# KiCad board processed.kicad_pcb (continued)
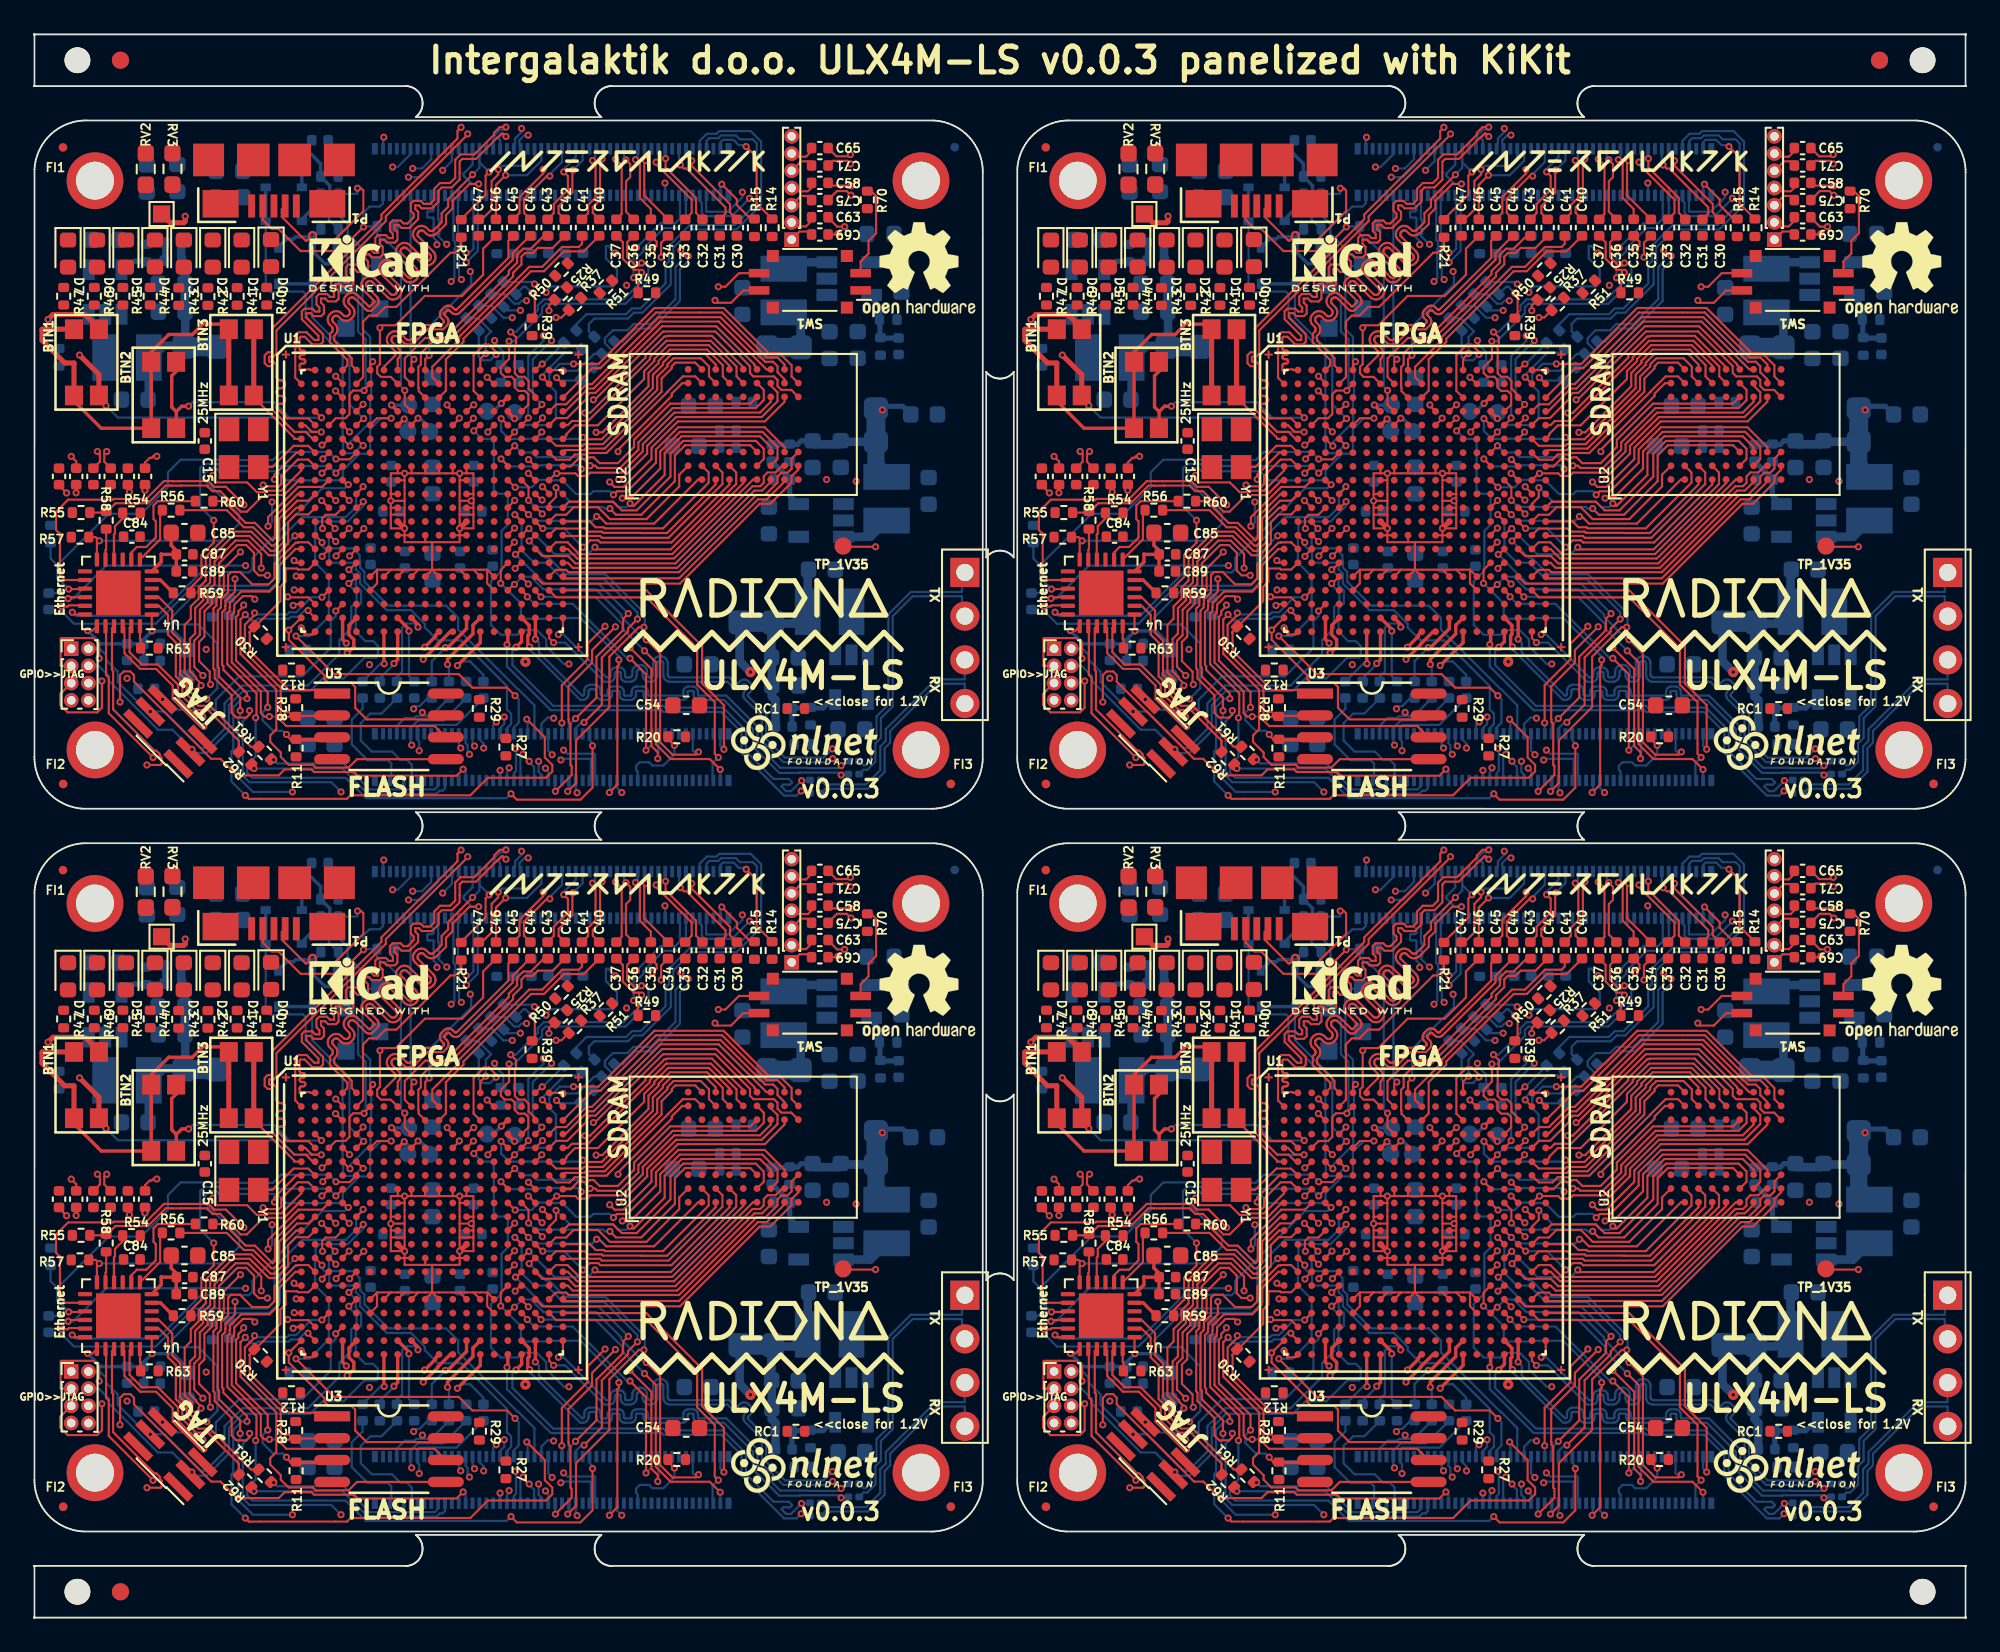
[diagram p0: board, top side]
## Placement (name value [footprint] x y rotation side) (continued)
C81#4  22nF  [C_0402_1005Metric]  97.41 25.98 180 bottom
C82  22nF  [C_0603_1608Metric]  37.84 68.09 180 bottom
C82#2  22nF  [C_0603_1608Metric]  94.95 68.09 180 bottom
C82#3  22nF  [C_0603_1608Metric]  37.84 26.08 180 bottom
C82#4  22nF  [C_0603_1608Metric]  94.95 26.08 180 bottom
C83  100n  [C_0402_1005Metric]  0.83 59.06 90 bottom
C83#2  100n  [C_0402_1005Metric]  57.94 59.06 90 bottom
C83#3  100n  [C_0402_1005Metric]  0.83 17.05 90 bottom
C83#4  100n  [C_0402_1005Metric]  57.94 17.05 90 bottom
C84  100n  [C_0402_1005Metric]  5.66 62.82 0 top
C84#2  100n  [C_0402_1005Metric]  62.77 62.82 0 top
C84#3  100n  [C_0402_1005Metric]  5.66 20.81 0 top
C84#4  100n  [C_0402_1005Metric]  62.77 20.81 0 top
C85  1u1R  [C_0603_1608Metric]  8.72 63.05 0 top
C85#2  1u1R  [C_0603_1608Metric]  65.83 63.05 0 top
C85#3  1u1R  [C_0603_1608Metric]  8.72 21.04 0 top
C85#4  1u1R  [C_0603_1608Metric]  65.83 21.04 0 top
C86  10n  [C_0402_1005Metric]  5.39 56.11 270 bottom
C86#2  10n  [C_0402_1005Metric]  62.5 56.11 270 bottom
C86#3  10n  [C_0402_1005Metric]  5.39 14.1 270 bottom
C86#4  10n  [C_0402_1005Metric]  62.5 14.1 270 bottom
C87  470p  [C_0402_1005Metric]  8.73 61.79 0 top
C87#2  470p  [C_0402_1005Metric]  65.84 61.79 0 top
C87#3  470p  [C_0402_1005Metric]  8.73 19.78 0 top
C87#4  470p  [C_0402_1005Metric]  65.84 19.78 0 top
C88  22n  [C_0402_1005Metric]  6.83 55.6 0 bottom
C88#2  22n  [C_0402_1005Metric]  63.94 55.6 0 bottom
C88#3  22n  [C_0402_1005Metric]  6.83 13.59 0 bottom
C88#4  22n  [C_0402_1005Metric]  63.94 13.59 0 bottom
C89  10n  [C_0402_1005Metric]  8.72 60.8 0 top
C89#2  10n  [C_0402_1005Metric]  65.83 60.8 0 top
C89#3  10n  [C_0402_1005Metric]  8.72 18.79 0 top
C89#4  10n  [C_0402_1005Metric]  65.83 18.79 0 top
C90  100n  [C_0402_1005Metric]  6.84 56.59 0 bottom
C90#2  100n  [C_0402_1005Metric]  63.95 56.59 0 bottom
C90#3  100n  [C_0402_1005Metric]  6.84 14.58 0 bottom
C90#4  100n  [C_0402_1005Metric]  63.95 14.58 0 bottom
C91  22n  [C_0201_0603Metric]  47.61 49.78 180 bottom
C91#2  22n  [C_0201_0603Metric]  104.72 49.78 180 bottom
C91#3  22n  [C_0201_0603Metric]  47.61 7.77 180 bottom
C91#4  22n  [C_0201_0603Metric]  104.72 7.77 180 bottom
C92  22n  [C_0201_0603Metric]  47.61 49.02 180 bottom
C92#2  22n  [C_0201_0603Metric]  104.72 49.02 180 bottom
C92#3  22n  [C_0201_0603Metric]  47.61 7.01 180 bottom
C92#4  22n  [C_0201_0603Metric]  104.72 7.01 180 bottom
C93  22n  [C_0201_0603Metric]  45.38 48.67 180 bottom
C93#2  22n  [C_0201_0603Metric]  102.49 48.67 180 bottom
C93#3  22n  [C_0201_0603Metric]  45.38 6.66 180 bottom
C93#4  22n  [C_0201_0603Metric]  102.49 6.66 180 bottom
C94  22n  [C_0201_0603Metric]  45.37 47.91 180 bottom
C94#2  22n  [C_0201_0603Metric]  102.48 47.91 180 bottom
C94#3  22n  [C_0201_0603Metric]  45.37 5.9 180 bottom
C94#4  22n  [C_0201_0603Metric]  102.48 5.9 180 bottom
C95  22uF  [C_0603_1608Metric]  45.22 67.61 270 bottom
C95#2  22uF  [C_0603_1608Metric]  102.33 67.61 270 bottom
C95#3  22uF  [C_0603_1608Metric]  45.22 25.6 270 bottom
C95#4  22uF  [C_0603_1608Metric]  102.33 25.6 270 bottom
C96  22uF  [C_0603_1608Metric]  46.85 67.62 270 bottom
C96#2  22uF  [C_0603_1608Metric]  103.97 67.62 270 bottom
C96#3  22uF  [C_0603_1608Metric]  46.85 25.61 270 bottom
C96#4  22uF  [C_0603_1608Metric]  103.97 25.61 270 bottom
C97  2.2uF  [C_0603_1608Metric]  51.96 65.47 270 bottom
C97#2  2.2uF  [C_0603_1608Metric]  109.07 65.47 270 bottom
C97#3  2.2uF  [C_0603_1608Metric]  51.96 23.47 270 bottom
C97#4  2.2uF  [C_0603_1608Metric]  109.07 23.47 270 bottom
C98  2.2uF  [C_0603_1608Metric]  51.7 69.92 0 bottom
C98#2  2.2uF  [C_0603_1608Metric]  108.81 69.92 0 bottom
C98#3  2.2uF  [C_0603_1608Metric]  51.7 27.91 0 bottom
C98#4  2.2uF  [C_0603_1608Metric]  108.81 27.91 0 bottom
D0  RED  [LED_0603_1608Metric]  13.75 79.29 270 top
D0#2  RED  [LED_0603_1608Metric]  70.86 79.29 270 top
D0#3  RED  [LED_0603_1608Metric]  13.75 37.29 270 top
D0#4  RED  [LED_0603_1608Metric]  70.86 37.29 270 top
D1  ORANGE  [LED_0603_1608Metric]  12.04 79.27 270 top
D1#2  ORANGE  [LED_0603_1608Metric]  69.15 79.27 270 top
D1#3  ORANGE  [LED_0603_1608Metric]  12.04 37.26 270 top
D1#4  ORANGE  [LED_0603_1608Metric]  69.15 37.26 270 top
D2  GREEN  [LED_0603_1608Metric]  10.36 79.27 270 top
D2#2  GREEN  [LED_0603_1608Metric]  67.47 79.27 270 top
D2#3  GREEN  [LED_0603_1608Metric]  10.36 37.26 270 top
D2#4  GREEN  [LED_0603_1608Metric]  67.47 37.26 270 top
D3  BLUE  [LED_0603_1608Metric]  8.68 79.27 270 top
D3#2  BLUE  [LED_0603_1608Metric]  65.79 79.27 270 top
D3#3  BLUE  [LED_0603_1608Metric]  8.68 37.26 270 top
D3#4  BLUE  [LED_0603_1608Metric]  65.79 37.26 270 top
D4  RED  [LED_0603_1608Metric]  7 79.27 270 top
D4#2  RED  [LED_0603_1608Metric]  64.11 79.27 270 top
D4#3  RED  [LED_0603_1608Metric]  7 37.26 270 top
D4#4  RED  [LED_0603_1608Metric]  64.11 37.26 270 top
D5  ORANGE  [LED_0603_1608Metric]  5.32 79.27 270 top
D5#2  ORANGE  [LED_0603_1608Metric]  62.43 79.27 270 top
D5#3  ORANGE  [LED_0603_1608Metric]  5.32 37.26 270 top
D5#4  ORANGE  [LED_0603_1608Metric]  62.43 37.26 270 top
D6  GREEN  [LED_0603_1608Metric]  3.64 79.27 270 top
D6#2  GREEN  [LED_0603_1608Metric]  60.75 79.27 270 top
D6#3  GREEN  [LED_0603_1608Metric]  3.64 37.26 270 top
D6#4  GREEN  [LED_0603_1608Metric]  60.75 37.26 270 top
D7  BLUE  [LED_0603_1608Metric]  1.96 79.27 270 top
D7#2  BLUE  [LED_0603_1608Metric]  59.07 79.27 270 top
D7#3  BLUE  [LED_0603_1608Metric]  1.96 37.26 270 top
D7#4  BLUE  [LED_0603_1608Metric]  59.07 37.26 270 top
D8  3.6V  [D_SOD-323_HandSoldering]  20.07 77.3 270 bottom
D8#2  3.6V  [D_SOD-323_HandSoldering]  77.18 77.3 270 bottom
D8#3  3.6V  [D_SOD-323_HandSoldering]  20.07 35.29 270 bottom
D8#4  3.6V  [D_SOD-323_HandSoldering]  77.18 35.29 270 bottom
D9  3.6V  [D_SOD-323_HandSoldering]  18.11 76.18 270 bottom
D9#2  3.6V  [D_SOD-323_HandSoldering]  75.22 76.18 270 bottom
D9#3  3.6V  [D_SOD-323_HandSoldering]  18.11 34.17 270 bottom
D9#4  3.6V  [D_SOD-323_HandSoldering]  75.22 34.17 270 bottom
D10  1N914  [D_SOD-323]  14.49 83.12 180 bottom
D10#2  1N914  [D_SOD-323]  71.6 83.12 180 bottom
D10#3  1N914  [D_SOD-323]  14.49 41.11 180 bottom
D10#4  1N914  [D_SOD-323]  71.6 41.11 180 bottom
D11  1N914  [D_SOD-323]  14.49 81.15 0 bottom
D11#2  1N914  [D_SOD-323]  71.6 81.15 0 bottom
D11#3  1N914  [D_SOD-323]  14.49 39.14 0 bottom
D11#4  1N914  [D_SOD-323]  71.6 39.14 0 bottom
D12  1N914  [D_SOD-323]  16.13 78.54 270 bottom
D12#2  1N914  [D_SOD-323]  73.24 78.54 270 bottom
D12#3  1N914  [D_SOD-323]  16.13 36.53 270 bottom
D12#4  1N914  [D_SOD-323]  73.24 36.53 270 bottom
D13  1N914  [D_SOD-323]  14.15 78.56 90 bottom
D13#2  1N914  [D_SOD-323]  71.26 78.56 90 bottom
D13#3  1N914  [D_SOD-323]  14.15 36.55 90 bottom
D13#4  1N914  [D_SOD-323]  71.26 36.55 90 bottom
FB1  30R  [L_0603_1608Metric]  8.84 55.45 90 bottom
FB1#2  30R  [L_0603_1608Metric]  65.95 55.45 90 bottom
FB1#3  30R  [L_0603_1608Metric]  8.84 13.44 90 bottom
FB1#4  30R  [L_0603_1608Metric]  65.95 13.44 90 bottom
FI1  Fi  [Fiducial_0.5mm_Mask1mm]  1.66 85.44 0 top
FI1#2  Fi  [Fiducial_0.5mm_Mask1mm]  1.66 43.43 0 top
FI1#3  Fi  [Fiducial_0.5mm_Mask1mm]  58.77 43.43 0 top
FI1#4  Fi  [Fiducial_0.5mm_Mask1mm]  58.77 85.44 0 top
FI2  Fi  [Fiducial_0.5mm_Mask1mm]  1.67 48.45 0 top
FI2#2  Fi  [Fiducial_0.5mm_Mask1mm]  1.67 6.44 0 top
FI2#3  Fi  [Fiducial_0.5mm_Mask1mm]  58.78 6.44 0 top
FI2#4  Fi  [Fiducial_0.5mm_Mask1mm]  58.78 48.45 0 top
FI3  Fi  [Fiducial_0.5mm_Mask1mm]  53.25 48.45 0 top
FI3#2  Fi  [Fiducial_0.5mm_Mask1mm]  53.25 6.44 0 top
FI3#3  Fi  [Fiducial_0.5mm_Mask1mm]  110.36 6.44 0 top
FI3#4  Fi  [Fiducial_0.5mm_Mask1mm]  110.36 48.45 0 top
FI4  Fi  [Fiducial_0.5mm_Mask1mm]  53.48 85.45 0 bottom
FI4#2  Fi  [Fiducial_0.5mm_Mask1mm]  53.48 43.44 0 bottom
FI4#3  Fi  [Fiducial_0.5mm_Mask1mm]  110.59 43.44 0 bottom
FI4#4  Fi  [Fiducial_0.5mm_Mask1mm]  110.59 85.45 0 bottom
FI5  Fi  [Fiducial_0.5mm_Mask1mm]  53.25 48.45 0 bottom
FI5#2  Fi  [Fiducial_0.5mm_Mask1mm]  110.36 48.45 0 bottom
FI5#3  Fi  [Fiducial_0.5mm_Mask1mm]  53.25 6.44 0 bottom
FI5#4  Fi  [Fiducial_0.5mm_Mask1mm]  110.36 6.44 0 bottom
FI6  Fi  [Fiducial_0.5mm_Mask1mm]  1.67 48.44 0 bottom
FI6#2  Fi  [Fiducial_0.5mm_Mask1mm]  1.67 6.43 0 bottom
FI6#3  Fi  [Fiducial_0.5mm_Mask1mm]  58.78 6.43 0 bottom
FI6#4  Fi  [Fiducial_0.5mm_Mask1mm]  58.78 48.44 0 bottom
G***  LOGO  [kicad2_8mm]  19.4 78.35 0 top
G***#2  LOGO  [intergalaktik]  34.48 84.76 0 top
G***#3  LOGO  [nlnet]  44.73 50.85 0 top
G***#4  LOGO  [kicad2_8mm]  76.51 78.35 0 top
G***#5  LOGO  [intergalaktik]  91.59 84.76 0 top
G***#6  LOGO  [nlnet]  101.84 50.85 0 top
G***#7  LOGO  [kicad2_8mm]  19.4 36.34 0 top
G***#8  LOGO  [intergalaktik]  34.48 42.75 0 top
G***#9  LOGO  [nlnet]  44.73 8.84 0 top
G***#10  LOGO  [kicad2_8mm]  76.51 36.34 0 top
G***#11  LOGO  [intergalaktik]  91.59 42.75 0 top
G***#12  LOGO  [nlnet]  101.84 8.84 0 top
H1  HOLE  [MountingHole_3.2mm_M3_ISO14580_Pad]  51.52 50.43 180 top
H1#2  HOLE  [MountingHole_3.2mm_M3_ISO14580_Pad]  108.63 50.43 180 top
H1#3  HOLE  [MountingHole_3.2mm_M3_ISO14580_Pad]  51.52 8.42 180 top
H1#4  HOLE  [MountingHole_3.2mm_M3_ISO14580_Pad]  108.63 8.42 180 top
H2  HOLE  [MountingHole_3.2mm_M3_ISO14580_Pad]  3.52 50.42 180 top
H2#2  HOLE  [MountingHole_3.2mm_M3_ISO14580_Pad]  60.63 50.42 180 top
H2#3  HOLE  [MountingHole_3.2mm_M3_ISO14580_Pad]  3.52 8.42 180 top
H2#4  HOLE  [MountingHole_3.2mm_M3_ISO14580_Pad]  60.63 8.42 180 top
H3  HOLE  [MountingHole_3.2mm_M3_ISO14580_Pad]  51.52 83.5 180 top
H3#2  HOLE  [MountingHole_3.2mm_M3_ISO14580_Pad]  108.63 83.5 180 top
H3#3  HOLE  [MountingHole_3.2mm_M3_ISO14580_Pad]  51.52 41.5 180 top
H3#4  HOLE  [MountingHole_3.2mm_M3_ISO14580_Pad]  108.63 41.5 180 top
H4  HOLE  [MountingHole_3.2mm_M3_ISO14580_Pad]  3.52 83.5 180 top
H4#2  HOLE  [MountingHole_3.2mm_M3_ISO14580_Pad]  60.63 83.5 180 top
H4#3  HOLE  [MountingHole_3.2mm_M3_ISO14580_Pad]  3.52 41.5 180 top
H4#4  HOLE  [MountingHole_3.2mm_M3_ISO14580_Pad]  60.63 41.5 180 top
J1  DF40C-100DP-0.4V(51)  [HRS_DF40C-100DP-0.4V(51)]  30.06 50 0 bottom
J1#2  DF40C-100DP-0.4V(51)  [HRS_DF40C-100DP-0.4V(51)]  87.17 50 0 bottom
J1#3  DF40C-100DP-0.4V(51)  [HRS_DF40C-100DP-0.4V(51)]  30.06 8 0 bottom
J1#4  DF40C-100DP-0.4V(51)  [HRS_DF40C-100DP-0.4V(51)]  87.17 8 0 bottom
J2  DF40C-100DP-0.4V(51)  [HRS_DF40C-100DP-0.4V(51)]  30.06 84 0 bottom
J2#2  DF40C-100DP-0.4V(51)  [HRS_DF40C-100DP-0.4V(51)]  87.17 84 0 bottom
J2#3  DF40C-100DP-0.4V(51)  [HRS_DF40C-100DP-0.4V(51)]  30.06 42 0 bottom
J2#4  DF40C-100DP-0.4V(51)  [HRS_DF40C-100DP-0.4V(51)]  87.17 42 0 bottom
J3  JTAG  [PinHeader_2x03_P1.00mm_Vertical_SMD]  7.9 51.49 135 top
J3#2  JTAG  [PinHeader_2x03_P1.00mm_Vertical_SMD]  65.01 51.49 135 top
J3#3  JTAG  [PinHeader_2x03_P1.00mm_Vertical_SMD]  7.9 9.48 135 top
J3#4  JTAG  [PinHeader_2x03_P1.00mm_Vertical_SMD]  65.01 9.48 135 top
J4  Antenna  [PinHeader_1x04_P2.54mm_Vertical]  54.07 60.74 0 top
J4#2  Antenna  [PinHeader_1x04_P2.54mm_Vertical]  111.18 60.74 0 top
J4#3  Antenna  [PinHeader_1x04_P2.54mm_Vertical]  54.07 18.73 0 top
J4#4  Antenna  [PinHeader_1x04_P2.54mm_Vertical]  111.18 18.73 0 top
J5  SerDes  [PinHeader_1x07_P1.00mm_Vertical]  44 80.08 180 top
J5#2  SerDes  [PinHeader_1x07_P1.00mm_Vertical]  101.11 80.08 180 top
J5#3  SerDes  [PinHeader_1x07_P1.00mm_Vertical]  44 38.07 180 top
J5#4  SerDes  [PinHeader_1x07_P1.00mm_Vertical]  101.11 38.07 180 top
J6  GPIO>>JTAG  [PinHeader_2x04_P1.00mm_Vertical]  2.14 56.31 0 top
J6#2  GPIO>>JTAG  [PinHeader_2x04_P1.00mm_Vertical]  59.25 56.31 0 top
J6#3  GPIO>>JTAG  [PinHeader_2x04_P1.00mm_Vertical]  2.14 14.3 0 top
J6#4  GPIO>>JTAG  [PinHeader_2x04_P1.00mm_Vertical]  59.25 14.3 0 top
L1  2.2uH  [L_1008_1210]  46.21 58.46 180 bottom
L1#2  2.2uH  [L_1008_1210]  103.32 58.46 180 bottom
L1#3  2.2uH  [L_1008_1210]  46.21 16.45 180 bottom
L1#4  2.2uH  [L_1008_1210]  103.32 16.45 180 bottom
L2  2.2uH  [L_1008_1210]  5.38 73.22 0 bottom
L2#2  2.2uH  [L_1008_1210]  62.49 73.22 0 bottom
L2#3  2.2uH  [L_1008_1210]  5.38 31.22 0 bottom
L2#4  2.2uH  [L_1008_1210]  62.49 31.22 0 bottom
L3  2.2uH  [L_1008_1210]  43.54 77.12 270 bottom
L3#2  2.2uH  [L_1008_1210]  100.65 77.12 270 bottom
L3#3  2.2uH  [L_1008_1210]  43.54 35.11 270 bottom
L3#4  2.2uH  [L_1008_1210]  100.65 35.11 270 bottom
L4  2.2uH  [L_1008_1210]  49.52 65.02 90 bottom
L4#2  2.2uH  [L_1008_1210]  106.63 65.02 90 bottom
L4#3  2.2uH  [L_1008_1210]  49.52 23.02 90 bottom
L4#4  2.2uH  [L_1008_1210]  106.63 23.02 90 bottom
P1  USB_OTG  [USB-MICRO-B-FCI-10118192-0001LF]  13.92 84.71 180 top
P1#2  USB_OTG  [USB-MICRO-B-FCI-10118192-0001LF]  71.03 84.71 180 top
P1#3  USB_OTG  [USB-MICRO-B-FCI-10118192-0001LF]  13.92 42.7 180 top
P1#4  USB_OTG  [USB-MICRO-B-FCI-10118192-0001LF]  71.03 42.7 180 top
R1  27R  [R_0402_1005Metric]  17.15 82.74 180 bottom
R1#2  27R  [R_0402_1005Metric]  74.26 82.74 180 bottom
R1#3  27R  [R_0402_1005Metric]  17.15 40.73 180 bottom
R1#4  27R  [R_0402_1005Metric]  74.26 40.73 180 bottom
R2  27R  [R_0402_1005Metric]  17.14 83.75 180 bottom
R2#2  27R  [R_0402_1005Metric]  74.25 83.75 180 bottom
R2#3  27R  [R_0402_1005Metric]  17.14 41.74 180 bottom
R2#4  27R  [R_0402_1005Metric]  74.25 41.74 180 bottom
R4  1k  [R_0402_1005Metric]  15.14 84.64 180 bottom
R4#2  1k  [R_0402_1005Metric]  72.25 84.64 180 bottom
R4#3  1k  [R_0402_1005Metric]  72.25 42.63 180 bottom
R4#4  1k  [R_0402_1005Metric]  15.14 42.63 180 bottom
R5  15k  [R_0402_1005Metric]  17.16 81.7 0 bottom
R5#2  15k  [R_0402_1005Metric]  74.27 81.7 0 bottom
R5#3  15k  [R_0402_1005Metric]  17.16 39.69 0 bottom
R5#4  15k  [R_0402_1005Metric]  74.27 39.69 0 bottom
R6  1k  [R_0402_1005Metric]  17.65 79.19 90 bottom
R6#2  1k  [R_0402_1005Metric]  74.76 79.19 90 bottom
R6#3  1k  [R_0402_1005Metric]  17.65 37.18 90 bottom
R6#4  1k  [R_0402_1005Metric]  74.76 37.18 90 bottom
R7  15k  [R_0402_1005Metric]  17.16 80.68 0 bottom
R7#2  15k  [R_0402_1005Metric]  74.27 80.68 0 bottom
R7#3  15k  [R_0402_1005Metric]  17.16 38.68 0 bottom
R7#4  15k  [R_0402_1005Metric]  74.27 38.68 0 bottom
R8  15k  [R_0402_1005Metric]  30.87 79.79 90 bottom
R8#2  15k  [R_0402_1005Metric]  87.98 79.79 90 bottom
R8#3  15k  [R_0402_1005Metric]  30.87 37.78 90 bottom
R8#4  15k  [R_0402_1005Metric]  87.98 37.78 90 bottom
R9  15k  [R_0402_1005Metric]  31.87 79.79 90 bottom
R9#2  15k  [R_0402_1005Metric]  88.98 79.79 90 bottom
R9#3  15k  [R_0402_1005Metric]  31.87 37.78 90 bottom
R9#4  15k  [R_0402_1005Metric]  88.98 37.78 90 bottom
R10  4k7  [R_0402_1005Metric]  28.87 79.78 90 bottom
R10#2  4k7  [R_0402_1005Metric]  85.98 79.78 90 bottom
R10#3  4k7  [R_0402_1005Metric]  28.87 37.77 90 bottom
R10#4  4k7  [R_0402_1005Metric]  85.98 37.77 90 bottom
R11  15k  [R_0402_1005Metric]  15.21 50.53 90 top
R11#2  15k  [R_0402_1005Metric]  72.32 50.53 90 top
R11#3  15k  [R_0402_1005Metric]  15.21 8.53 90 top
R11#4  15k  [R_0402_1005Metric]  72.32 8.53 90 top
R12  15k  [R_0402_1005Metric]  14.94 55.07 180 top
R12#2  15k  [R_0402_1005Metric]  72.05 55.07 180 top
R12#3  15k  [R_0402_1005Metric]  14.94 13.06 180 top
R12#4  15k  [R_0402_1005Metric]  72.05 13.06 180 top
R13  4k7  [R_0402_1005Metric]  27.87 79.77 90 bottom
R13#2  4k7  [R_0402_1005Metric]  84.98 79.77 90 bottom
R13#3  4k7  [R_0402_1005Metric]  27.87 37.77 90 bottom
R13#4  4k7  [R_0402_1005Metric]  84.98 37.77 90 bottom
R14  4k7  [R_0402_1005Metric]  42.87 80.77 90 top
R14#2  4k7  [R_0402_1005Metric]  99.98 80.77 90 top
R14#3  4k7  [R_0402_1005Metric]  42.87 38.76 90 top
R14#4  4k7  [R_0402_1005Metric]  99.98 38.76 90 top
R15  4k7  [R_0402_1005Metric]  41.84 80.77 90 top
R15#2  4k7  [R_0402_1005Metric]  98.95 80.77 90 top
R15#3  4k7  [R_0402_1005Metric]  41.84 38.76 90 top
R15#4  4k7  [R_0402_1005Metric]  98.95 38.76 90 top
R16  15k  [R_0402_1005Metric]  29.87 79.78 90 bottom
R16#2  15k  [R_0402_1005Metric]  86.98 79.78 90 bottom
R16#3  15k  [R_0402_1005Metric]  29.87 37.77 90 bottom
R16#4  15k  [R_0402_1005Metric]  86.98 37.77 90 bottom
R17  15k  [R_0402_1005Metric]  26.87 79.77 90 bottom
R17#2  15k  [R_0402_1005Metric]  83.98 79.77 90 bottom
R17#3  15k  [R_0402_1005Metric]  26.87 37.77 90 bottom
R17#4  15k  [R_0402_1005Metric]  83.98 37.77 90 bottom
R18  300  [R_0402_1005Metric]  1.43 73.24 270 bottom
R18#2  300  [R_0402_1005Metric]  58.54 73.24 270 bottom
R18#3  300  [R_0402_1005Metric]  1.43 31.23 270 bottom
R18#4  300  [R_0402_1005Metric]  58.54 31.23 270 bottom
R19  4k7  [R_0402_1005Metric]  20.41 80.85 0 bottom
R19#2  4k7  [R_0402_1005Metric]  77.52 80.85 0 bottom
R19#3  4k7  [R_0402_1005Metric]  20.41 38.84 0 bottom
R19#4  4k7  [R_0402_1005Metric]  77.52 38.84 0 bottom
R20  4k7  [R_0402_1005Metric]  37.33 51.19 0 top
R20#2  4k7  [R_0402_1005Metric]  94.44 51.19 0 top
R20#3  4k7  [R_0402_1005Metric]  37.33 9.18 0 top
R20#4  4k7  [R_0402_1005Metric]  94.44 9.18 0 top
R21  300  [R_0402_1005Metric]  24.8 80.73 270 top
R21#2  300  [R_0402_1005Metric]  81.91 80.73 270 top
R21#3  300  [R_0402_1005Metric]  24.8 38.72 270 top
R21#4  300  [R_0402_1005Metric]  81.91 38.72 270 top
R22  300  [R_0402_1005Metric]  33.34 73.8 225 bottom
R22#2  300  [R_0402_1005Metric]  90.45 73.8 225 bottom
R22#3  300  [R_0402_1005Metric]  33.34 31.79 225 bottom
R22#4  300  [R_0402_1005Metric]  90.45 31.79 225 bottom
R23  300  [R_0402_1005Metric]  31.13 74.44 225 bottom
R23#2  300  [R_0402_1005Metric]  88.24 74.44 225 bottom
R23#3  300  [R_0402_1005Metric]  31.13 32.43 225 bottom
R23#4  300  [R_0402_1005Metric]  88.24 32.43 225 bottom
R24  300  [R_0402_1005Metric]  25.47 75.86 225 bottom
R24#2  300  [R_0402_1005Metric]  82.58 75.86 225 bottom
R24#3  300  [R_0402_1005Metric]  25.47 33.86 225 bottom
R24#4  300  [R_0402_1005Metric]  82.58 33.86 225 bottom
R25  300  [R_0402_1005Metric]  30.59 76.94 225 top
R25#2  300  [R_0402_1005Metric]  87.7 76.94 225 top
R25#3  300  [R_0402_1005Metric]  30.59 34.93 225 top
R25#4  300  [R_0402_1005Metric]  87.7 34.93 225 top
R26  300  [R_0402_1005Metric]  26.9 77.26 225 bottom
R26#2  300  [R_0402_1005Metric]  84.01 77.26 225 bottom
R26#3  300  [R_0402_1005Metric]  26.9 35.25 225 bottom
R26#4  300  [R_0402_1005Metric]  84.01 35.25 225 bottom
R27  15k  [R_0402_1005Metric]  27.4 50.59 270 top
R27#2  15k  [R_0402_1005Metric]  84.51 50.59 270 top
R27#3  15k  [R_0402_1005Metric]  27.4 8.58 270 top
R27#4  15k  [R_0402_1005Metric]  84.51 8.58 270 top
R28  15k  [R_0402_1005Metric]  15.18 52.88 270 top
R28#2  15k  [R_0402_1005Metric]  72.29 52.88 270 top
R28#3  15k  [R_0402_1005Metric]  15.18 10.88 270 top
R28#4  15k  [R_0402_1005Metric]  72.29 10.88 270 top
R29  1k  [R_0402_1005Metric]  25.86 52.83 270 top
R29#2  1k  [R_0402_1005Metric]  82.97 52.83 270 top
R29#3  1k  [R_0402_1005Metric]  25.86 10.83 270 top
R29#4  1k  [R_0402_1005Metric]  82.97 10.83 270 top
R30  4k7  [R_0402_1005Metric]  13.14 57.24 135 top
R30#2  4k7  [R_0402_1005Metric]  70.25 57.24 135 top
R30#3  4k7  [R_0402_1005Metric]  13.14 15.23 135 top
R30#4  4k7  [R_0402_1005Metric]  70.25 15.23 135 top
R31  15k  [R_0402_1005Metric]  15.32 56.23 0 bottom
R31#2  15k  [R_0402_1005Metric]  72.43 56.23 0 bottom
R31#3  15k  [R_0402_1005Metric]  15.32 14.22 0 bottom
R31#4  15k  [R_0402_1005Metric]  72.43 14.22 0 bottom
R32  15k  [R_0402_1005Metric]  10.33 58.66 270 bottom
R32#2  15k  [R_0402_1005Metric]  67.44 58.66 270 bottom
R32#3  15k  [R_0402_1005Metric]  10.33 16.65 270 bottom
R32#4  15k  [R_0402_1005Metric]  67.44 16.65 270 bottom
R33  15k  [R_0402_1005Metric]  11.33 58.74 270 bottom
R33#2  15k  [R_0402_1005Metric]  68.44 58.74 270 bottom
R33#3  15k  [R_0402_1005Metric]  11.33 16.73 270 bottom
R33#4  15k  [R_0402_1005Metric]  68.44 16.73 270 bottom
R34  300  [R_0402_1005Metric]  32.1 72.29 45 bottom
R34#2  300  [R_0402_1005Metric]  89.21 72.29 45 bottom
R34#3  300  [R_0402_1005Metric]  32.1 30.28 45 bottom
R34#4  300  [R_0402_1005Metric]  89.21 30.28 45 bottom
R35  300  [R_0402_1005Metric]  32.18 74.07 45 bottom
R35#2  300  [R_0402_1005Metric]  89.29 74.07 45 bottom
R35#3  300  [R_0402_1005Metric]  32.18 32.06 45 bottom
R35#4  300  [R_0402_1005Metric]  89.29 32.06 45 bottom
R36  300  [R_0402_1005Metric]  26.18 75.17 45 bottom
R36#2  300  [R_0402_1005Metric]  83.29 75.17 45 bottom
R36#3  300  [R_0402_1005Metric]  26.18 33.16 45 bottom
R36#4  300  [R_0402_1005Metric]  83.29 33.16 45 bottom
R37  300  [R_0402_1005Metric]  31.41 76.34 45 top
R37#2  300  [R_0402_1005Metric]  88.52 76.34 45 top
R37#3  300  [R_0402_1005Metric]  88.52 34.33 45 top
R37#4  300  [R_0402_1005Metric]  31.41 34.33 45 top
R38  300  [R_0402_1005Metric]  27.62 76.55 45 bottom
R38#2  300  [R_0402_1005Metric]  84.73 76.55 45 bottom
R38#3  300  [R_0402_1005Metric]  27.62 34.54 45 bottom
R38#4  300  [R_0402_1005Metric]  84.73 34.54 45 bottom
R39  70  [R_0402_1005Metric]  28.92 75.01 270 top
R39#2  70  [R_0402_1005Metric]  86.03 75.01 270 top
R39#3  70  [R_0402_1005Metric]  28.92 33 270 top
R39#4  70  [R_0402_1005Metric]  86.03 33 270 top
R40  300  [R_0402_1005Metric]  13.5 76.79 90 top
R40#2  300  [R_0402_1005Metric]  70.61 76.79 90 top
R40#3  300  [R_0402_1005Metric]  13.5 34.78 90 top
R40#4  300  [R_0402_1005Metric]  70.61 34.78 90 top
R41  300  [R_0402_1005Metric]  11.78 76.78 90 top
R41#2  300  [R_0402_1005Metric]  68.89 76.78 90 top
R41#3  300  [R_0402_1005Metric]  11.78 34.77 90 top
R41#4  300  [R_0402_1005Metric]  68.89 34.77 90 top
R42  300  [R_0402_1005Metric]  10.08 76.77 90 top
R42#2  300  [R_0402_1005Metric]  67.19 76.77 90 top
R42#3  300  [R_0402_1005Metric]  10.08 34.76 90 top
R42#4  300  [R_0402_1005Metric]  67.19 34.76 90 top
R43  300  [R_0402_1005Metric]  8.39 76.77 90 top
R43#2  300  [R_0402_1005Metric]  65.5 76.77 90 top
R43#3  300  [R_0402_1005Metric]  8.39 34.76 90 top
R43#4  300  [R_0402_1005Metric]  65.5 34.76 90 top
R44  300  [R_0402_1005Metric]  6.73 76.79 90 top
R44#2  300  [R_0402_1005Metric]  63.84 76.79 90 top
R44#3  300  [R_0402_1005Metric]  6.73 34.78 90 top
R44#4  300  [R_0402_1005Metric]  63.84 34.78 90 top
R45  300  [R_0402_1005Metric]  5.14 76.79 90 top
R45#2  300  [R_0402_1005Metric]  62.25 76.79 90 top
R45#3  300  [R_0402_1005Metric]  5.14 34.78 90 top
R45#4  300  [R_0402_1005Metric]  62.25 34.78 90 top
R46  300  [R_0402_1005Metric]  3.48 76.79 90 top
R46#2  300  [R_0402_1005Metric]  60.59 76.79 90 top
R46#3  300  [R_0402_1005Metric]  3.48 34.78 90 top
R46#4  300  [R_0402_1005Metric]  60.59 34.78 90 top
R47  300  [R_0402_1005Metric]  1.7 76.79 90 top
R47#2  300  [R_0402_1005Metric]  58.81 76.79 90 top
R47#3  300  [R_0402_1005Metric]  1.7 34.78 90 top
R47#4  300  [R_0402_1005Metric]  58.81 34.78 90 top
R48  70  [R_0402_1005Metric]  28.12 72.3 270 bottom
R48#2  70  [R_0402_1005Metric]  85.23 72.3 270 bottom
R48#3  70  [R_0402_1005Metric]  28.12 30.29 270 bottom
R48#4  70  [R_0402_1005Metric]  85.23 30.29 270 bottom
R49  70  [R_0402_1005Metric]  35.59 76.99 0 top
R49#2  70  [R_0402_1005Metric]  92.7 76.99 0 top
R49#3  70  [R_0402_1005Metric]  35.59 34.98 0 top
R49#4  70  [R_0402_1005Metric]  92.7 34.98 0 top
R50  70  [R_0402_1005Metric]  30.63 78.34 45 top
R50#2  70  [R_0402_1005Metric]  87.74 78.34 45 top
R50#3  70  [R_0402_1005Metric]  30.63 36.33 45 top
R50#4  70  [R_0402_1005Metric]  87.74 36.33 45 top
R51  70  [R_0402_1005Metric]  33.21 77.34 45 top
R51#2  70  [R_0402_1005Metric]  90.32 77.34 45 top
R51#3  70  [R_0402_1005Metric]  33.21 35.33 45 top
R51#4  70  [R_0402_1005Metric]  90.32 35.33 45 top
R52  70  [R_0402_1005Metric]  27.11 72.3 270 bottom
R52#2  70  [R_0402_1005Metric]  84.22 72.3 270 bottom
R52#3  70  [R_0402_1005Metric]  27.11 30.29 270 bottom
R52#4  70  [R_0402_1005Metric]  84.22 30.29 270 bottom
R53  10K  [R_0402_1005Metric]  0.94 62.97 270 bottom
R53#2  10K  [R_0402_1005Metric]  58.05 62.97 270 bottom
R53#3  10K  [R_0402_1005Metric]  0.94 20.96 270 bottom
R53#4  10K  [R_0402_1005Metric]  58.05 20.96 270 bottom
R54  10R  [R_0402_1005Metric]  5.64 64.2 0 top
R54#2  10R  [R_0402_1005Metric]  62.75 64.2 0 top
R54#3  10R  [R_0402_1005Metric]  5.64 22.19 0 top
R54#4  10R  [R_0402_1005Metric]  62.75 22.19 0 top
R55  1K5  [R_0402_1005Metric]  2.71 64.22 0 top
R55#2  1K5  [R_0402_1005Metric]  59.82 64.22 0 top
R55#3  1K5  [R_0402_1005Metric]  2.71 22.21 0 top
R55#4  1K5  [R_0402_1005Metric]  59.82 22.21 0 top
R56  10R  [R_0402_1005Metric]  7.94 64.36 0 top
R56#2  10R  [R_0402_1005Metric]  65.05 64.36 0 top
R56#3  10R  [R_0402_1005Metric]  7.94 22.35 0 top
R56#4  10R  [R_0402_1005Metric]  65.05 22.35 0 top
R57  1K5  [R_0402_1005Metric]  2.65 62.79 0 top
R57#2  1K5  [R_0402_1005Metric]  59.76 62.79 0 top
R57#3  1K5  [R_0402_1005Metric]  2.65 20.78 0 top
R57#4  1K5  [R_0402_1005Metric]  59.76 20.78 0 top
R58  10R  [R_0402_1005Metric]  4.17 63.77 270 top
R58#2  10R  [R_0402_1005Metric]  61.28 63.77 270 top
R58#3  10R  [R_0402_1005Metric]  4.17 21.76 270 top
R58#4  10R  [R_0402_1005Metric]  61.28 21.76 270 top
R59  33R  [R_0402_1005Metric]  8.58 59.55 0 top
R59#2  33R  [R_0402_1005Metric]  65.69 59.55 0 top
R59#3  33R  [R_0402_1005Metric]  8.58 17.54 0 top
R59#4  33R  [R_0402_1005Metric]  65.69 17.54 0 top
R60  10R  [R_0402_1005Metric]  9.86 64.88 0 top
R60#2  10R  [R_0402_1005Metric]  66.97 64.88 0 top
R60#3  10R  [R_0402_1005Metric]  9.86 22.87 0 top
R60#4  10R  [R_0402_1005Metric]  66.97 22.87 0 top
R61  300  [R_0402_1005Metric]  13.38 50.25 135 top
R61#2  300  [R_0402_1005Metric]  70.49 50.25 135 top
R61#3  300  [R_0402_1005Metric]  13.38 8.24 135 top
R61#4  300  [R_0402_1005Metric]  70.49 8.24 135 top
R62  300  [R_0402_1005Metric]  12.24 49.95 135 top
R62#2  300  [R_0402_1005Metric]  69.35 49.95 135 top
R62#3  300  [R_0402_1005Metric]  12.24 7.94 135 top
R62#4  300  [R_0402_1005Metric]  69.35 7.94 135 top
R63  12K1  [R_0402_1005Metric]  6.68 56.34 0 top
R63#2  12K1  [R_0402_1005Metric]  63.79 56.34 0 top
R63#3  12K1  [R_0402_1005Metric]  6.68 14.33 0 top
R63#4  12K1  [R_0402_1005Metric]  63.79 14.33 0 top
R70  300  [R_0402_1005Metric]  48.4 82.39 90 top
R70#2  300  [R_0402_1005Metric]  105.51 82.39 90 top
R70#3  300  [R_0402_1005Metric]  48.4 40.38 90 top
R70#4  300  [R_0402_1005Metric]  105.51 40.38 90 top
RA1  15k  [R_0402_1005Metric]  43.54 52.83 0 bottom
RA1#2  15k  [R_0402_1005Metric]  100.65 52.83 0 bottom
RA1#3  15k  [R_0402_1005Metric]  43.54 10.83 0 bottom
RA1#4  15k  [R_0402_1005Metric]  100.65 10.83 0 bottom
RA2  15k  [R_0402_1005Metric]  8.05 78.85 180 bottom
RA2#2  15k  [R_0402_1005Metric]  65.16 78.85 180 bottom
RA2#3  15k  [R_0402_1005Metric]  8.05 36.84 180 bottom
RA2#4  15k  [R_0402_1005Metric]  65.16 36.84 180 bottom
RA3  15k  [R_0402_1005Metric]  49.17 73.87 90 bottom
RA3#2  15k  [R_0402_1005Metric]  106.28 73.87 90 bottom
RA3#3  15k  [R_0402_1005Metric]  49.17 31.87 90 bottom
RA3#4  15k  [R_0402_1005Metric]  106.28 31.87 90 bottom
RA4  15k  [R_0402_1005Metric]  43.89 67.69 270 bottom
RA4#2  15k  [R_0402_1005Metric]  101 67.69 270 bottom
RA4#3  15k  [R_0402_1005Metric]  43.89 25.68 270 bottom
RA4#4  15k  [R_0402_1005Metric]  101 25.68 270 bottom
radiona  -  [radiona]  42.37 59.26 0 top
radiona#2  -  [radiona]  99.48 59.26 0 top
radiona#3  -  [radiona]  42.37 17.25 0 top
radiona#4  -  [radiona]  99.48 17.25 0 top
RB1  18k  [R_0402_1005Metric]  45.1 52.38 90 bottom
RB1#2  18k  [R_0402_1005Metric]  102.21 52.38 90 bottom
RB1#3  18k  [R_0402_1005Metric]  45.1 10.38 90 bottom
RB1#4  18k  [R_0402_1005Metric]  102.21 10.38 90 bottom
RB2  4k7  [R_0402_1005Metric]  6.49 79.3 270 bottom
RB2#2  4k7  [R_0402_1005Metric]  63.6 79.3 270 bottom
RB2#3  4k7  [R_0402_1005Metric]  6.49 37.29 270 bottom
RB2#4  4k7  [R_0402_1005Metric]  63.6 37.29 270 bottom
RB3  3k3  [R_0402_1005Metric]  49.62 75.43 180 bottom
RB3#2  3k3  [R_0402_1005Metric]  106.73 75.43 180 bottom
RB3#3  3k3  [R_0402_1005Metric]  49.62 33.43 180 bottom
RB3#4  3k3  [R_0402_1005Metric]  106.73 33.43 180 bottom
RB4  12k  [R_0402_1005Metric]  43.44 66.13 0 bottom
RB4#2  12k  [R_0402_1005Metric]  100.56 66.13 0 bottom
RB4#3  12k  [R_0402_1005Metric]  43.44 24.13 0 bottom
RB4#4  12k  [R_0402_1005Metric]  100.56 24.13 0 bottom
RC1  *DNP  [R_0402_1005Metric]  44.25 52.83 0 top
RC1#2  *DNP  [R_0402_1005Metric]  101.36 52.83 0 top
RC1#3  *DNP  [R_0402_1005Metric]  44.25 10.82 0 top
RC1#4  *DNP  [R_0402_1005Metric]  101.36 10.82 0 top
RC2  91k  [R_0402_1005Metric]  44.66 50.75 180 bottom
RC2#2  91k  [R_0402_1005Metric]  101.77 50.75 180 bottom
RC2#3  91k  [R_0402_1005Metric]  44.66 8.74 180 bottom
RC2#4  91k  [R_0402_1005Metric]  101.77 8.74 180 bottom
REF**  -  [OSHW-Logo2_7.3x6mm_SilkScreen]  51.4 78.34 0 top
REF**#2  -  [OSHW-Logo2_7.3x6mm_SilkScreen]  108.51 78.34 0 top
REF**#3  -  [OSHW-Logo2_7.3x6mm_SilkScreen]  51.4 36.33 0 top
REF**#4  -  [OSHW-Logo2_7.3x6mm_SilkScreen]  108.51 36.33 0 top
REF**#5  -  [NPTH]  2.5 90.5 0 top
REF**#6  -  [NPTH]  109.72 90.5 0 top
REF**#7  -  [NPTH]  2.5 1.5 0 top
REF**#8  -  [NPTH]  109.72 1.5 0 top
REF**#9  -  [Fiducial]  5 90.5 0 top
REF**#10  -  [Fiducial]  107.22 90.5 0 top
REF**#11  -  [Fiducial]  5 1.5 0 top
REF**#12  -  [Fiducial]  5 90.5 0 bottom
REF**#13  -  [Fiducial]  107.22 90.5 0 bottom
REF**#14  -  [Fiducial]  5 1.5 0 bottom
RP1  0  [R_0805_2012Metric_Pad1.29x1.40mm_HandSolder_Jumper_NC]  41.95 57.83 180 bottom
RP1#2  0  [R_0805_2012Metric_Pad1.29x1.40mm_HandSolder_Jumper_NC]  99.06 57.83 180 bottom
RP1#3  0  [R_0805_2012Metric_Pad1.29x1.40mm_HandSolder_Jumper_NC]  41.95 15.83 180 bottom
RP1#4  0  [R_0805_2012Metric_Pad1.29x1.40mm_HandSolder_Jumper_NC]  99.06 15.83 180 bottom
RP2  0  [R_0805_2012Metric_Pad1.29x1.40mm_HandSolder_Jumper_NC]  9.64 73.85 0 bottom
RP2#2  0  [R_0805_2012Metric_Pad1.29x1.40mm_HandSolder_Jumper_NC]  66.75 73.85 0 bottom
RP2#3  0  [R_0805_2012Metric_Pad1.29x1.40mm_HandSolder_Jumper_NC]  9.64 31.84 0 bottom
RP2#4  0  [R_0805_2012Metric_Pad1.29x1.40mm_HandSolder_Jumper_NC]  66.75 31.84 0 bottom
RP3  0  [R_0805_2012Metric_Pad1.29x1.40mm_HandSolder_Jumper_NC]  43.56 73.82 180 bottom
RP3#2  0  [R_0805_2012Metric_Pad1.29x1.40mm_HandSolder_Jumper_NC]  100.67 73.82 180 bottom
RP3#3  0  [R_0805_2012Metric_Pad1.29x1.40mm_HandSolder_Jumper_NC]  43.56 31.81 180 bottom
RP3#4  0  [R_0805_2012Metric_Pad1.29x1.40mm_HandSolder_Jumper_NC]  100.67 31.81 180 bottom
RP4  0  [R_0805_2012Metric_Pad1.29x1.40mm_HandSolder_Jumper_NC]  48.9 69.3 90 bottom
RP4#2  0  [R_0805_2012Metric_Pad1.29x1.40mm_HandSolder_Jumper_NC]  106.01 69.3 90 bottom
RP4#3  0  [R_0805_2012Metric_Pad1.29x1.40mm_HandSolder_Jumper_NC]  48.9 27.29 90 bottom
RP4#4  0  [R_0805_2012Metric_Pad1.29x1.40mm_HandSolder_Jumper_NC]  106.01 27.29 90 bottom
RV2  0  [R_0603_1608Metric_Pad0.98x0.95mm_HandSolder]  6.47 84.18 90 top
RV2#2  0  [R_0603_1608Metric_Pad0.98x0.95mm_HandSolder]  63.58 84.18 90 top
RV2#3  0  [R_0603_1608Metric_Pad0.98x0.95mm_HandSolder]  6.47 42.17 90 top
RV2#4  0  [R_0603_1608Metric_Pad0.98x0.95mm_HandSolder]  63.58 42.17 90 top
RV3  0  [R_0603_1608Metric_Pad0.98x0.95mm_HandSolder]  8.02 84.19 270 top
RV3#2  0  [R_0603_1608Metric_Pad0.98x0.95mm_HandSolder]  65.13 84.19 270 top
RV3#3  0  [R_0603_1608Metric_Pad0.98x0.95mm_HandSolder]  8.02 42.18 270 top
RV3#4  0  [R_0603_1608Metric_Pad0.98x0.95mm_HandSolder]  65.13 42.18 270 top
SW1  SW_DIP_x02  [SW_DIP_SPSTx02_Slide_Copal_CVS-02xB_W5.9mm_P1mm]  45.06 77.63 180 top
SW1#2  SW_DIP_x02  [SW_DIP_SPSTx02_Slide_Copal_CVS-02xB_W5.9mm_P1mm]  102.17 77.63 180 top
SW1#3  SW_DIP_x02  [SW_DIP_SPSTx02_Slide_Copal_CVS-02xB_W5.9mm_P1mm]  45.06 35.62 180 top
SW1#4  SW_DIP_x02  [SW_DIP_SPSTx02_Slide_Copal_CVS-02xB_W5.9mm_P1mm]  102.17 35.62 180 top
TP_1V35  1V35  [Testpoint_smd_1mm]  46.99 62.22 0 top
TP_1V35#2  1V35  [Testpoint_smd_1mm]  104.1 62.22 0 top
TP_1V35#3  1V35  [Testpoint_smd_1mm]  46.99 20.21 0 top
